# Allegro board buddy_lay_rev1.brd (continued)
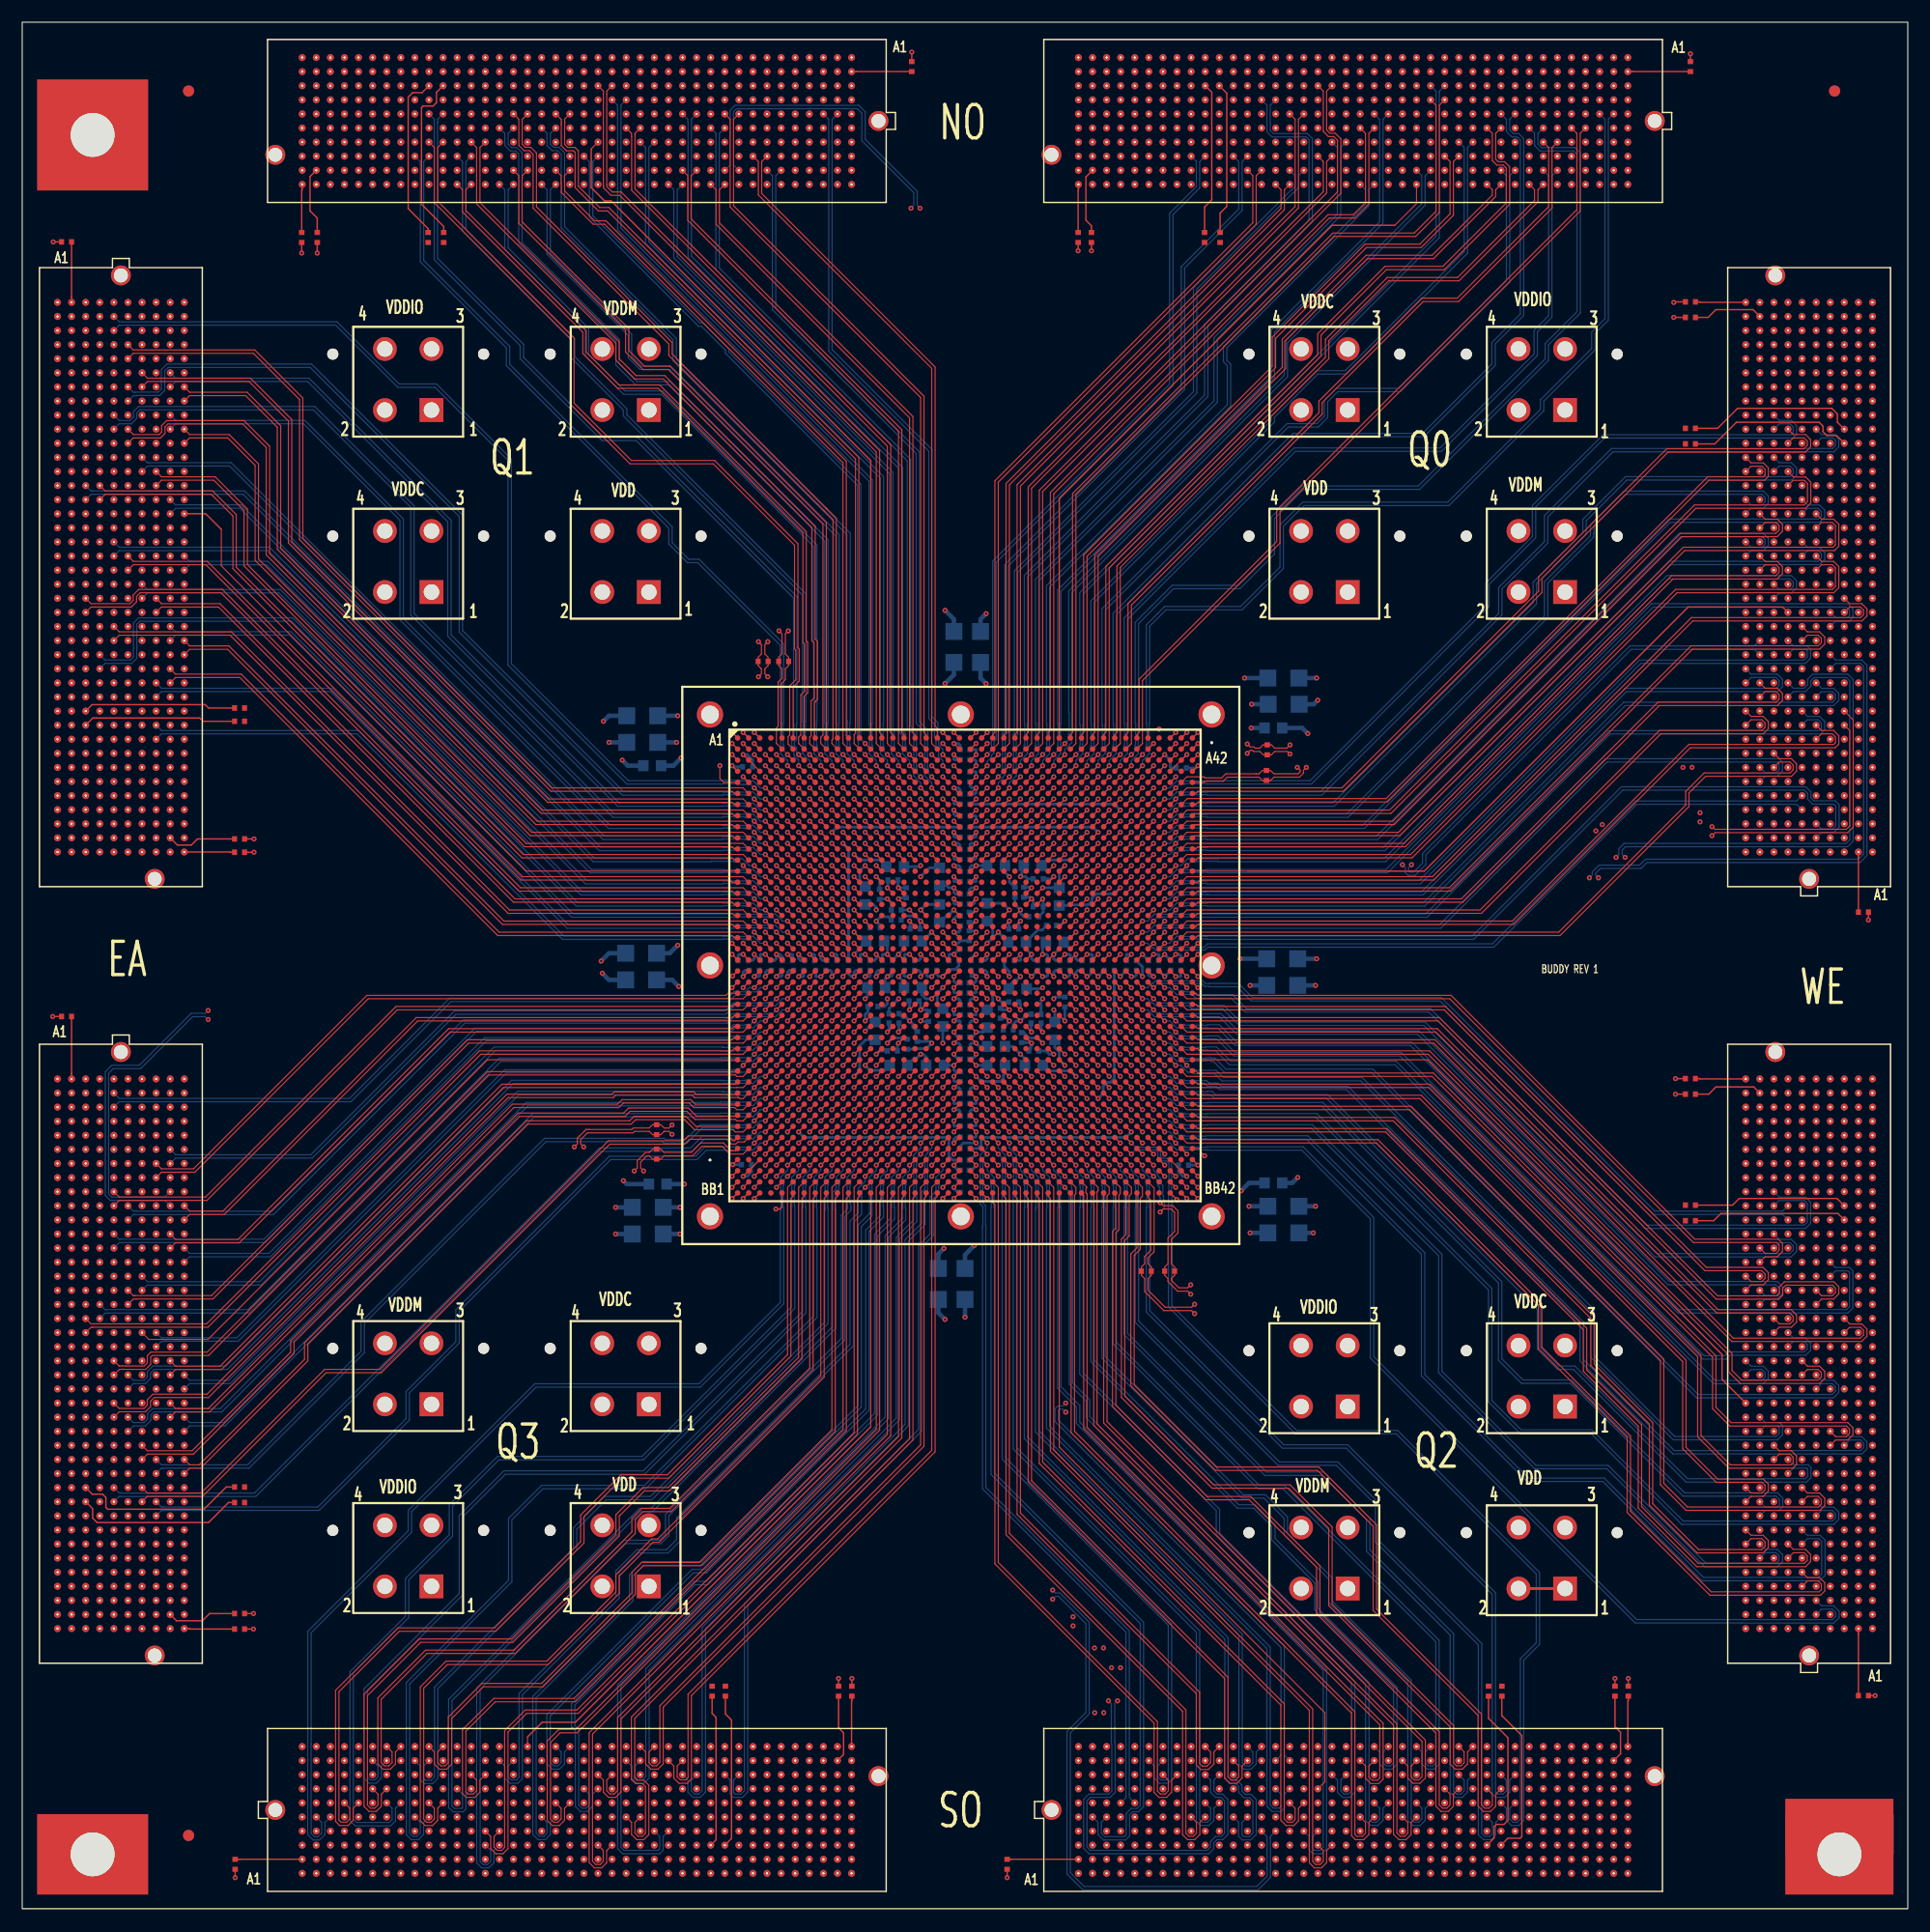
[diagram p0: board, top side]
## Routing (per net, layer and track width the routed paths; a pad name or vN(x,y) marks a point on that pad's centre or on a via; arc(x,y) is an arc through that point) (continued)
; J4.A16 166.81,43.82 ; J4.A16 166.34,44.29 ; 156.66,28.58 J4.J4 ; J4.J4 156.18,29.05 ; J4.J4 156.66,29.53 ; J4.J4 157.13,29.05 ; 51.06,118.65 J12.2 ; J12.2 53.54,118.65 ; J12.2 52.3,117.41 ; J12.2 52.3,119.89 ; J5.F15 113.48,9.54 ; J5.F15 113.01,10.01 ; J5.F15 112.53,9.54 ; J5.F15 113.01,9.06 ; J11.2 33.94,118.65 ; J11.2 31.46,118.65 ; J11.2 32.7,119.89 ; J11.2 32.7,117.41 ; 104.91,5.72 105.39,5.72 ; 105.39,5.72 105.86,5.72 ; 105.39,5.72 105.39,5.25 ; 105.39,5.72 105.39,6.2 ; 116.34,156.66 J2.J23 ; J2.J23 117.29,156.66 ; J2.J23 116.82,157.13 ; J2.J23 116.82,156.18 ; J3.K3 155.38,98.24 ; J3.K3 154.91,97.77 ; J3.K3 155.38,97.29 ; J3.K3 155.86,97.77 ; J3.F33 160.94,135.87 ; J3.F33 160.47,136.34 ; J3.F33 159.99,135.87 ; J3.F33 160.47,135.39 ; 30.32,10.8 30.8,10.8 ; 30.32,10.8 29.85,10.8 ; 30.32,10.8 30.32,10.33 ; 30.32,10.8 30.32,11.28 ; 134.12,160.47 J2.F9 ; J2.F9 134.6,160.94 ; J2.F9 135.07,160.47 ; J2.F9 134.6,159.99 ; 30.32,5.72 30.32,6.2 ; 30.32,5.72 30.32,5.25 ; 30.32,5.72 29.85,5.72 ; 30.32,5.72 30.8,5.72 ; 163.8,110.47 J3.C13 ; J3.C13 164.75,110.47 ; J3.C13 164.28,109.99 ; J3.C13 164.28,110.94 ; J2.A13 129.52,167.29 ; J2.A13 129.04,166.81 ; J2.A13 129.99,166.81 ; J2.A13 129.52,166.34 ; J4.G32 159.67,64.61 ; J4.G32 159.19,64.14 ; J4.G32 158.72,64.61 ; J4.G32 159.19,65.09 ; 5.25,105.39 J8.C32 ; J8.C32 5.72,105.86 ; J8.C32 6.2,105.39 ; J8.C32 5.72,104.91 ; J4.F30 160.47,62.55 ; J4.F30 160.94,62.07 ; J4.F30 159.99,62.07 ; J4.F30 160.47,61.6 ; 8.27,123.96 J8.E17 ; J8.E17 7.79,124.44 ; J8.E17 8.74,124.44 ; J8.E17 8.27,124.91 ; J4.G17 159.67,45.56 ; J4.G17 158.72,45.56 ; J4.G17 159.19,45.09 ; J4.G17 159.19,46.04 ; 161.74,138.41 161.74,138.88 ; 161.74,138.41 161.26,138.41 ; 161.74,138.41 162.21,138.41 ; 161.74,138.41 161.74,137.93 ; J4.H30 158.4,62.07 ; J4.H30 157.93,61.6 ; J4.H30 157.45,62.07 ; J4.H30 157.93,62.55 ; 107.93,10.8 108.4,10.8 ; 107.93,10.8 107.93,11.28 ; 107.93,10.8 107.45,10.8 ; 107.93,10.8 107.93,10.33 ; 156.18,74.77 J4.J40 ; J4.J40 156.66,75.25 ; J4.J40 156.66,74.3 ; J4.J40 157.13,74.77 ; 71.76,163 J1.D3 ; J1.D3 72.71,163 ; J1.D3 72.23,163.48 ; J1.D3 72.23,162.53 ; 14.14,45.56 J7.K24 ; J7.K24 14.62,45.09 ; J7.K24 14.62,46.04 ; J7.K24 15.09,45.56 ; 10.8,69.69 11.28,69.69 ; 10.8,69.69 10.8,70.17 ; 10.8,69.69 10.33,69.69 ; 10.8,69.69 10.8,69.22 ; J5.D16 114.28,7.47 ; J5.D16 113.8,7 ; J5.D16 114.75,7 ; J5.D16 114.28,6.52 ; J6.J20 49.85,13.35 ; J6.J20 49.37,13.82 ; J6.J20 49.37,12.87 ; J6.J20 48.9,13.35 ; 5.72,55.25 5.72,55.72 ; 5.72,55.72 5.72,56.2 ; 5.72,55.72 6.2,55.72 ; 5.72,55.72 5.25,55.72 ; J8.C36 5.72,100.78 ; J8.C36 5.25,100.31 ; J8.C36 5.72,99.83 ; J8.C36 6.2,100.31 ; J2.D10 133.8,163 ; J2.D10 133.33,162.53 ; J2.D10 132.85,163 ; J2.D10 133.33,163.48 ; 134.6,166.34 J2.A9 ; J2.A9 134.12,166.81 ; J2.A9 135.07,166.81 ; J2.A9 134.6,167.29 ; 111.26,157.93 J2.H27 ; J2.H27 111.74,158.4 ; J2.H27 111.74,157.45 ; J2.H27 112.21,157.93 ; J1.K18 53.66,155.38 ; J1.K18 53.18,154.91 ; J1.K18 52.71,155.38 ; J1.K18 53.18,155.86 ; J1.H3 72.71,157.93 ; J1.H3 72.23,157.45 ; J1.H3 71.76,157.93 ; J1.H3 72.23,158.4 ; 106.18,165.54 J2.B31 ; J2.B31 106.66,166.02 ; J2.B31 106.66,165.07 ; J2.B31 107.13,165.54 ; J1.H18 53.18,158.4 ; J1.H18 53.66,157.93 ; J1.H18 52.71,157.93 ; J1.H18 53.18,157.45 ; J1.H6 68.42,158.4 ; J1.H6 67.95,157.93 ; J1.H6 68.9,157.93 ; J1.H6 68.42,157.45 ; 155.38,26.04 J4.K2 ; J4.K2 154.91,26.51 ; J4.K2 155.38,26.99 ; J4.K2 155.86,26.51 ; 5.72,124.44 6.2,124.44 ; 5.72,124.44 5.72,124.91 ; 5.72,124.44 5.72,123.96 ; 5.72,124.44 5.25,124.44 ; 161.74,107.93 161.74,108.4 ; 161.74,107.93 161.74,107.45 ; 161.74,107.93 161.26,107.93 ; 161.74,107.93 162.21,107.93 ; 109.2,2.71 109.2,3.19 ; 109.2,3.19 109.67,3.19 ; 109.2,3.19 108.72,3.19 ; 109.2,3.19 109.2,3.66 ; 139.68,14.62 140.15,14.62 ; 139.68,14.62 139.2,14.62 ; 139.68,14.62 139.68,15.09 ; 139.68,14.62 139.68,14.14 ; J2.J32 105.86,156.66 ; J2.J32 105.39,157.13 ; J2.J32 105.39,156.18 ; J2.J32 104.91,156.66 ; 100.31,3.19 100.78,3.19 ; 100.31,3.19 100.31,3.66 ; 100.31,3.19 100.31,2.71 ; 100.31,3.19 99.83,3.19 ; J14.1 139.1,136.29 ; J14.1 140.34,135.05 ; J14.1 137.86,135.05 ; J14.1 139.1,133.81 ; 139.2,164.28 J2.C5 ; J2.C5 139.68,163.8 ; J2.C5 140.15,164.28 ; J2.C5 139.68,164.75 ; 158.72,100.31 J3.G5 ; J3.G5 159.19,99.83 ; J3.G5 159.19,100.78 ; J3.G5 159.67,100.31 ; 154.91,120.63 J3.K21 ; J3.K21 155.38,120.15 ; J3.K21 155.86,120.63 ; J3.K21 155.38,121.1 ; 158.72,41.75 J4.G14 ; J4.G14 159.19,41.28 ; J4.G14 159.67,41.75 ; J4.G14 159.19,42.23 ; J6.J26 56.99,13.82 ; J6.J26 56.99,12.87 ; J6.J26 56.52,13.35 ; J6.J26 57.47,13.35 ; 30.32,166.34 J1.A36 ; J1.A36 30.32,167.29 ; J1.A36 30.8,166.81 ; J1.A36 29.85,166.81 ; J1.F2 73.5,160.94 ; J1.F2 73.98,160.47 ; J1.F2 73.5,159.99 ; J1.F2 73.03,160.47 ; 166.34,134.6 J3.A32 ; J3.A32 166.81,134.12 ; J3.A32 166.81,135.07 ; J3.A32 167.29,134.6 ; 139.68,161.26 139.68,161.74 ; 139.68,161.74 139.68,162.21 ; 139.68,161.74 139.2,161.74 ; 139.68,161.74 140.15,161.74 ; J1.A29 39.69,166.81 ; J1.A29 38.74,166.81 ; J1.A29 39.21,166.34 ; J1.A29 39.21,167.29 ; 121.42,163 J2.D19 ; J2.D19 121.9,162.53 ; J2.D19 122.37,163 ; J2.D19 121.9,163.48 ; J7.B27 4.93,41.75 ; J7.B27 4.46,41.28 ; J7.B27 3.98,41.75 ; J7.B27 4.46,42.23 ; J1.C33 34.13,164.75 ; J1.C33 33.66,164.28 ; J1.C33 34.61,164.28 ; J1.C33 34.13,163.8 ; J5.K3 98.24,14.62 ; J5.K3 97.29,14.62 ; J5.K3 97.77,14.14 ; J5.K3 97.77,15.09 ; J3.K24 155.86,124.44 ; J3.K24 154.91,124.44 ; J3.K24 155.38,124.91 ; J3.K24 155.38,123.96 ; J5.J40 145.23,13.35 ; J5.J40 144.28,13.35 ; J5.J40 144.76,12.87 ; J5.J40 144.76,13.82 ; J5.C38 142.22,6.2 ; J5.C38 142.22,5.25 ; J5.C38 142.69,5.72 ; J5.C38 141.74,5.72 ; J8.K3 15.09,142.22 ; J8.K3 14.62,142.69 ; J8.K3 14.14,142.22 ; J8.K3 14.62,141.74 ; 157.93,27.31 J4.H3 ; J4.H3 157.93,28.26 ; J4.H3 157.45,27.78 ; J4.H3 158.4,27.78 ; 12.07,56.52 J7.H15 ; J7.H15 11.6,56.99 ; J7.H15 12.07,57.47 ; J7.H15 12.55,56.99 ; 12.87,132.06 J8.J11 ; J8.J11 13.35,131.58 ; J8.J11 13.35,132.53 ; J8.J11 13.82,132.06 ; 40.01,7 J6.D13 ; J6.D13 40.48,7.47 ; J6.D13 40.48,6.52 ; J6.D13 40.96,7 ; 139.68,156.18 J2.J5 ; J2.J5 140.15,156.66 ; J2.J5 139.2,156.66 ; J2.J5 139.68,157.13 ; 7,59.06 J7.D13 ; J7.D13 6.52,59.53 ; J7.D13 7.47,59.53 ; J7.D13 7,60.01 ; 14.62,143.01 J8.K2 ; J8.K2 15.09,143.49 ; J8.K2 14.62,143.96 ; J8.K2 14.14,143.49 ; J8.D10 7,133.8 ; J8.D10 7.47,133.33 ; J8.D10 6.52,133.33 ; J8.D10 7,132.85 ; J1.A12 60.8,167.29 ; J1.A12 61.28,166.81 ; J1.A12 60.33,166.81 ; J1.A12 60.8,166.34 ; J5.G38 142.22,11.28 ; J5.G38 142.22,10.33 ; J5.G38 141.74,10.8 ; J5.G38 142.69,10.8 ; 163.8,105.39 J3.C9 ; J3.C9 164.28,104.91 ; J3.C9 164.28,105.86 ; J3.C9 164.75,105.39 ; 109.99,5.72 110.47,5.72 ; 110.47,5.72 110.94,5.72 ; 110.47,5.72 110.47,6.2 ; 110.47,5.72 110.47,5.25 ; 156.66,118.88 J3.J20 ; J3.J20 157.13,119.36 ; J3.J20 156.18,119.36 ; J3.J20 156.66,119.83 ; 124.44,14.14 J5.K24 ; J5.K24 124.91,14.62 ; J5.K24 123.96,14.62 ; J5.K24 124.44,15.09 ; 26.04,12.07 J6.H2 ; J6.H2 26.51,12.55 ; J6.H2 26.51,11.6 ; J6.H2 26.99,12.07 ; J2.B39 96.97,165.54 ; J2.B39 96.5,166.02 ; J2.B39 96.5,165.07 ; J2.B39 96.02,165.54 ; J4.J35 157.13,68.42 ; J4.J35 156.18,68.42 ; J4.J35 156.66,67.95 ; J4.J35 156.66,68.9 ; J7.J14 13.35,58.74 ; J7.J14 13.35,57.79 ; J7.J14 12.87,58.26 ; J7.J14 13.82,58.26 ; J4.C13 164.28,40.96 ; J4.C13 164.75,40.48 ; J4.C13 163.8,40.48 ; J4.C13 164.28,40.01 ; 131.58,12.07 J5.H30 ; J5.H30 132.06,11.6 ; J5.H30 132.53,12.07 ; J5.H30 132.06,12.55 ; 154.91,31.59 J4.K6 ; J4.K6 155.38,31.12 ; J4.K6 155.38,32.07 ; J4.K6 155.86,31.59 ; 65.41,9.54 65.88,9.54 ; 65.88,9.54 65.88,10.01 ; 65.88,9.54 65.88,9.06 ; 65.88,9.54 66.36,9.54 ; 131.58,159.19 J2.G11 ; J2.G11 132.53,159.19 ; J2.G11 132.06,159.67 ; J2.G11 132.06,158.72 ; 125.23,7 J5.D25 ; J5.D25 125.71,7.47 ; J5.D25 126.18,7 ; J5.D25 125.71,6.52 ; 40.48,5.72 40.96,5.72 ; 40.48,5.72 40.48,6.2 ; 40.48,5.72 40.48,5.25 ; 40.48,5.72 40.01,5.72 ; J7.F3 10.01,72.23 ; J7.F3 9.06,72.23 ; J7.F3 9.54,71.76 ; J7.F3 9.54,72.71 ; 132.06,156.18 J2.J11 ; J2.J11 131.58,156.66 ; J2.J11 132.53,156.66 ; J2.J11 132.06,157.13 ; J1.F30 38.42,160.47 ; J1.F30 37.94,159.99 ; J1.F30 37.94,160.94 ; J1.F30 37.47,160.47 ; J5.J38 142.69,13.35 ; J5.J38 142.22,12.87 ; J5.J38 142.22,13.82 ; J5.J38 141.74,13.35 ; J7.K18 15.09,53.18 ; J7.K18 14.14,53.18 ; J7.K18 14.62,52.71 ; J7.K18 14.62,53.66 ; 6.52,121.9 J8.D19 ; J8.D19 7,122.37 ; J8.D19 7,121.42 ; J8.D19 7.47,121.9 ; 4.46,107.45 J8.B30 ; J8.B30 4.46,108.4 ; J8.B30 3.98,107.93 ; J8.B30 4.93,107.93 ; 143.01,14.62 143.49,14.62 ; 143.49,14.62 143.96,14.62 ; 143.49,14.62 143.49,15.09 ; 143.49,14.62 143.49,14.14 ; 30.32,3.19 30.8,3.19 ; 30.32,3.19 30.32,2.71 ; 30.32,3.19 30.32,3.66 ; 30.32,3.19 29.85,3.19 ; J5.H6 101.58,12.55 ; J5.H6 101.1,12.07 ; J5.H6 101.58,11.6 ; J5.H6 102.05,12.07 ; J19.1 38.14,29.05 ; J19.1 35.66,29.05 ; J19.1 36.9,30.29 ; J19.1 36.9,27.81 ; 127.77,12.07 J5.H27 ; J5.H27 128.72,12.07 ; J5.H27 128.25,12.55 ; J5.H27 128.25,11.6 ; J7.G20 11.28,50.64 ; J7.G20 10.8,50.17 ; J7.G20 10.33,50.64 ; J7.G20 10.8,51.12 ; 36.67,165.07 J1.B31 ; J1.B31 37.15,165.54 ; J1.B31 36.67,166.02 ; J1.B31 36.2,165.54 ; J7.E11 8.74,62.07 ; J7.E11 8.27,62.55 ; J7.E11 7.79,62.07 ; J7.E11 8.27,61.6 ; 114.28,162.53 J2.D25 ; J2.D25 114.75,163 ; J2.D25 113.8,163 ; J2.D25 114.28,163.48 ; J5.B3 97.77,4.93 ; J5.B3 97.29,4.46 ; J5.B3 97.77,3.98 ; J5.B3 98.24,4.46 ; J8.D7 7,137.61 ; J8.D7 7,136.66 ; J8.D7 6.52,137.14 ; J8.D7 7.47,137.14 ; 35.4,11.6 J6.H9 ; J6.H9 34.93,12.07 ; J6.H9 35.4,12.55 ; J6.H9 35.88,12.07 ; 3.19,134.6 3.19,135.07 ; 3.19,134.6 3.66,134.6 ; 3.19,134.6 2.71,134.6 ; 3.19,134.6 3.19,134.12 ; 41.75,12.87 41.75,13.35 ; 41.75,13.35 41.28,13.35 ; 41.75,13.35 41.75,13.82 ; 41.75,13.35 42.23,13.35 ; 2.71,59.53 3.19,59.53 ; 3.19,59.53 3.66,59.53 ; 3.19,59.53 3.19,60.01 ; 3.19,59.53 3.19,59.06 ; 163,51.44 J4.D22 ; J4.D22 163.48,51.91 ; J4.D22 163,52.39 ; J4.D22 162.53,51.91 ; J2.B26 113.01,166.02 ; J2.B26 113.48,165.54 ; J2.B26 112.53,165.54 ; J2.B26 113.01,165.07 ; J2.B22 118.09,166.02 ; J2.B22 118.56,165.54 ; J2.B22 117.61,165.54 ; J2.B22 118.09,165.07 ; 142.22,4.46 142.22,4.93 ; 142.22,4.46 142.22,3.98 ; 142.22,4.46 142.69,4.46 ; 142.22,4.46 141.74,4.46 ; J7.E20 8.74,50.64 ; J7.E20 7.79,50.64 ; J7.E20 8.27,51.12 ; J7.E20 8.27,50.17 ; 34.13,10.8 34.13,11.28 ; 34.13,10.8 34.61,10.8 ; 34.13,10.8 33.66,10.8 ; 34.13,10.8 34.13,10.33 ; 157.93,96.02 J3.H2 ; J3.H2 157.93,96.97 ; J3.H2 157.45,96.5 ; J3.H2 158.4,96.5 ; 5.72,44.29 5.72,44.77 ; 5.72,44.29 5.72,43.82 ; 5.72,44.29 6.2,44.29 ; 5.72,44.29 5.25,44.29 ; J6.A28 59.53,3.66 ; J6.A28 60.01,3.19 ; J6.A28 59.06,3.19 ; J6.A28 59.53,2.71 ; J8.G32 11.28,105.39 ; J8.G32 10.33,105.39 ; J8.G32 10.8,105.86 ; J8.G32 10.8,104.91 ; J4.A32 166.81,65.09 ; J4.A32 167.29,64.61 ; J4.A32 166.34,64.61 ; J4.A32 166.81,64.14 ; 59.06,5.72 J6.C28 ; J6.C28 59.53,6.2 ; J6.C28 60.01,5.72 ; J6.C28 59.53,5.25 ; 51.91,162.53 J1.D19 ; J1.D19 51.91,163.48 ; J1.D19 52.39,163 ; J1.D19 51.44,163 ; 49.37,7.79 J6.E20 ; J6.E20 48.9,8.27 ; J6.E20 49.85,8.27 ; J6.E20 49.37,8.74 ; 158.72,72.23 J4.G38 ; J4.G38 159.67,72.23 ; J4.G38 159.19,72.71 ; J4.G38 159.19,71.76 ; 157.93,73.03 J4.H39 ; J4.H39 158.4,73.5 ; J4.H39 157.93,73.98 ; J4.H39 157.45,73.5 ; 108.72,156.66 J2.J29 ; J2.J29 109.2,156.18 ; J2.J29 109.2,157.13 ; J2.J29 109.67,156.66 ; J6.E23 53.66,8.27 ; J6.E23 52.71,8.27 ; J6.E23 53.18,8.74 ; J6.E23 53.18,7.79 ; J3.J1 157.13,95.23 ; J3.J1 156.18,95.23 ; J3.J1 156.66,95.7 ; J3.J1 156.66,94.75 ; J1.A37 29.53,166.81 ; J1.A37 28.58,166.81 ; J1.A37 29.05,166.34 ; J1.A37 29.05,167.29 ; J4.B27 165.54,58.74 ; J4.B27 165.07,58.26 ; J4.B27 165.54,57.79 ; J4.B27 166.02,58.26 ; J1.J1 74.77,157.13 ; J1.J1 75.25,156.66 ; J1.J1 74.3,156.66 ; J1.J1 74.77,156.18 ; 161.26,72.23 161.74,72.23 ; 161.74,72.23 161.74,72.71 ; 161.74,72.23 161.74,71.76 ; 161.74,72.23 162.21,72.23 ; 156.66,130.31 J3.J29 ; J3.J29 156.66,131.26 ; J3.J29 157.13,130.79 ; J3.J29 156.18,130.79 ; 5.72,59.53 6.2,59.53 ; 5.72,59.53 5.25,59.53 ; 5.72,59.53 5.72,59.06 ; 5.72,59.53 5.72,60.01 ; 14.14,26.51 14.62,26.51 ; 14.62,26.51 14.62,26.04 ; 14.62,26.51 15.09,26.51 ; 14.62,26.51 14.62,26.99 ; 159.19,28.58 J4.G4 ; J4.G4 158.72,29.05 ; J4.G4 159.67,29.05 ; J4.G4 159.19,29.53 ; 165.54,143.01 J3.B39 ; J3.B39 165.07,143.49 ; J3.B39 165.54,143.96 ; J3.B39 166.02,143.49 ; 24.77,10.8 25.24,10.8 ; 25.24,10.8 25.24,11.28 ; 25.24,10.8 25.24,10.33 ; 25.24,10.8 25.72,10.8 ; J1.G1 75.25,159.19 ; J1.G1 74.77,159.67 ; J1.G1 74.77,158.72 ; J1.G1 74.3,159.19 ; 35.4,163.8 J1.C32 ; J1.C32 35.88,164.28 ; J1.C32 35.4,164.75 ; J1.C32 34.93,164.28 ; 10.33,35.4 J7.G32 ; J7.G32 10.8,34.93 ; J7.G32 11.28,35.4 ; J7.G32 10.8,35.88 ; 3.19,39.21 3.66,39.21 ; 3.19,39.21 3.19,38.74 ; 3.19,39.21 3.19,39.69 ; 3.19,39.21 2.71,39.21 ; J1.G11 62.55,159.19 ; J1.G11 61.6,159.19 ; J1.G11 62.07,159.67 ; J1.G11 62.07,158.72 ; 43.02,161.26 43.02,161.74 ; 43.02,161.74 43.02,162.21 ; 43.02,161.74 42.55,161.74 ; 43.02,161.74 43.5,161.74 ; 9.54,104.12 9.54,104.59 ; 9.54,104.12 10.01,104.12 ; 9.54,104.12 9.54,103.64 ; 9.54,104.12 9.06,104.12 ; 10.8,144.76 11.28,144.76 ; 10.8,144.76 10.33,144.76 ; 10.8,144.76 10.8,144.28 ; 10.8,144.76 10.8,145.23 ; J2.K21 119.36,155.86 ; J2.K21 118.88,155.38 ; J2.K21 119.36,154.91 ; J2.K21 119.83,155.38 ; 70.49,7 70.96,7 ; 70.96,7 70.96,6.52 ; 70.96,7 71.44,7 ; 70.96,7 70.96,7.47 ; J2.H2 143.49,158.4 ; J2.H2 143.49,157.45 ; J2.H2 143.01,157.93 ; J2.H2 143.96,157.93 ; J8.G14 10.8,128.72 ; J8.G14 10.8,127.77 ; J8.G14 11.28,128.25 ; J8.G14 10.33,128.25 ; J6.B3 28.26,4.46 ; J6.B3 27.78,4.93 ; J6.B3 27.31,4.46 ; J6.B3 27.78,3.98 ; J1.G23 47.31,159.19 ; J1.G23 46.83,159.67 ; J1.G23 46.36,159.19 ; J1.G23 46.83,158.72 ; J3.C8 164.75,104.12 ; J3.C8 164.28,103.64 ; J3.C8 164.28,104.59 ; J3.C8 163.8,104.12 ; 123.17,165.07 J2.B18 ; J2.B18 123.64,165.54 ; J2.B18 123.17,166.02 ; J2.B18 122.69,165.54 ; 119.36,5.25 119.36,5.72 ; 119.36,5.72 119.36,6.2 ; 119.36,5.72 119.83,5.72 ; 119.36,5.72 118.88,5.72 ; J2.A40 95.23,167.29 ; J2.A40 94.75,166.81 ; J2.A40 95.7,166.81 ; J2.A40 95.23,166.34 ; 165.54,66.68 J4.B34 ; J4.B34 165.07,67.15 ; J4.B34 166.02,67.15 ; J4.B34 165.54,67.63 ; 8.27,57.79 J7.E14 ; J7.E14 8.74,58.26 ; J7.E14 7.79,58.26 ; J7.E14 8.27,58.74 ; J1.A28 40.96,166.81 ; J1.A28 40.01,166.81 ; J1.A28 40.48,166.34 ; J1.A28 40.48,167.29 ; J1.D2 73.5,163.48 ; J1.D2 73.98,163 ; J1.D2 73.03,163 ; J1.D2 73.5,162.53 ; J1.J32 35.4,157.13 ; J1.J32 35.4,156.18 ; J1.J32 35.88,156.66 ; J1.J32 34.93,156.66 ; 9.06,111.74 J8.F27 ; J8.F27 10.01,111.74 ; J8.F27 9.54,111.26 ; J8.F27 9.54,112.21 ; 73.5,154.91 J1.K2 ; J1.K2 73.5,155.86 ; J1.K2 73.98,155.38 ; J1.K2 73.03,155.38 ; J1.F12 60.8,160.94 ; J1.F12 60.8,159.99 ; J1.F12 60.33,160.47 ; J1.F12 61.28,160.47 ; J1.B15 57.47,165.54 ; J1.B15 56.52,165.54 ; J1.B15 56.99,165.07 ; J1.B15 56.99,166.02 ; 3.19,50.17 3.19,50.64 ; 3.19,50.64 2.71,50.64 ; 3.19,50.64 3.66,50.64 ; 3.19,50.64 3.19,51.12 ; J3.K39 155.86,143.49 ; J3.K39 154.91,143.49 ; J3.K39 155.38,143.01 ; J3.K39 155.38,143.96 ; J8.J35 13.82,101.58 ; J8.J35 13.35,102.05 ; J8.J35 13.35,101.1 ; J8.J35 12.87,101.58 ; 163,70.49 J4.D37 ; J4.D37 162.53,70.96 ; J4.D37 163,71.44 ; J4.D37 163.48,70.96 ; 8.27,104.91 J8.E32 ; J8.E32 7.79,105.39 ; J8.E32 8.27,105.86 ; J8.E32 8.74,105.39 ; 159.99,27.78 J4.F3 ; J4.F3 160.47,27.31 ; J4.F3 160.94,27.78 ; J4.F3 160.47,28.26 ; 72.23,165.07 J1.B3 ; J1.B3 71.76,165.54 ; J1.B3 72.71,165.54 ; J1.B3 72.23,166.02 ; 126.5,165.54 J2.B15 ; J2.B15 126.98,165.07 ; J2.B15 126.98,166.02 ; J2.B15 127.45,165.54 ; 99.04,8.27 99.04,8.74 ; 99.04,8.27 99.51,8.27 ; 99.04,8.27 98.56,8.27 ; 99.04,8.27 99.04,7.79 ; J7.B15 4.46,57.47 ; J7.B15 4.46,56.52 ; J7.B15 3.98,56.99 ; J7.B15 4.93,56.99 ; J4.G11 159.67,37.94 ; J4.G11 158.72,37.94 ; J4.G11 159.19,38.42 ; J4.G11 159.19,37.47 ; J8.G38 10.8,98.24 ; J8.G38 11.28,97.77 ; J8.G38 10.33,97.77 ; J8.G38 10.8,97.29 ; J8.G40 11.28,95.23 ; J8.G40 10.8,94.75 ; J8.G40 10.8,95.7 ; J8.G40 10.33,95.23 ; 45.09,155.38 J1.K24 ; J1.K24 45.56,155.86 ; J1.K24 46.04,155.38 ; J1.K24 45.56,154.91 ; 5.72,40.01 5.72,40.48 ; 5.72,40.48 6.2,40.48 ; 5.72,40.48 5.25,40.48 ; 5.72,40.48 5.72,40.96 ; J2.B38 97.77,166.02 ; J2.B38 97.29,165.54 ; J2.B38 98.24,165.54 ; J2.B38 97.77,165.07 ; 62.87,165.54 J1.B10 ; J1.B10 63.82,165.54 ; J1.B10 63.34,166.02 ; J1.B10 63.34,165.07 ; 161.74,37.47 161.74,37.94 ; 161.74,37.94 161.74,38.42 ; 161.74,37.94 161.26,37.94 ; 161.74,37.94 162.21,37.94 ; 155.38,101.1 J3.K6 ; J3.K6 155.86,101.58 ; J3.K6 154.91,101.58 ; J3.K6 155.38,102.05 ; J6.G26 57.47,10.8 ; J6.G26 56.99,10.33 ; J6.G26 56.99,11.28 ; J6.G26 56.52,10.8 ; 116.82,161.74 116.82,162.21 ; 116.82,161.74 117.29,161.74 ; 116.82,161.74 116.34,161.74 ; 116.82,161.74 116.82,161.26